# KiCad board beaglebone-ai-rev-a2.kicad_pcb (continued)
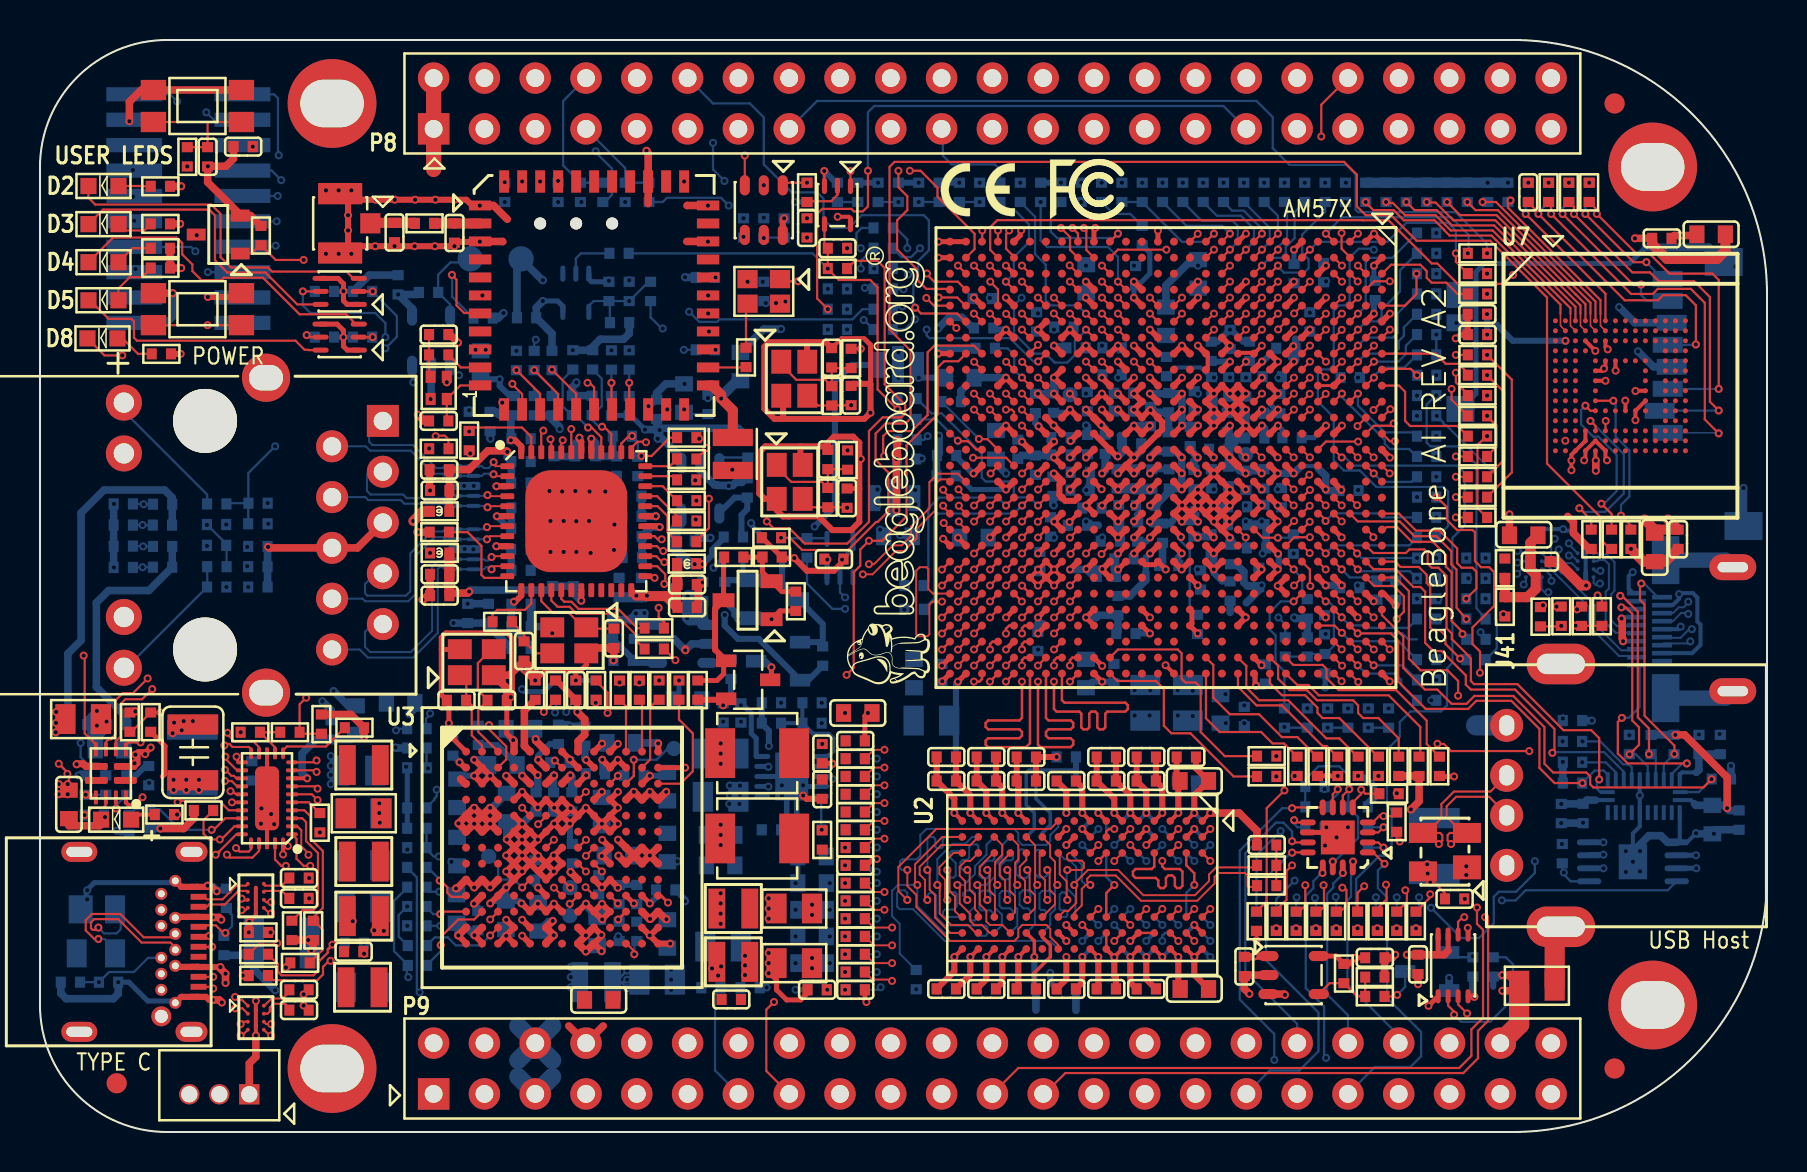
[diagram p0: board, top side]
## Copper pours and planes (outline as drawn; the poured copper is in the pictures) (continued)
VDD_3V3 on PWR_L7: 71.31,44.28 40.81,44.28 31.67,35.15 31.67,29.46 31.22,29.01 28.24,29.01 28.07,29.18 28.07,32.66 26.09,34.65 20.52,34.65 19.81,33.93 16.26,33.93 13.97,36.22 13.97,40 13.11,40.87 6.83,40.87 6.12,41.58 6.12,48.84 7.09,49.81 11.15,49.81 12.5,48.46 71.15,48.46 71.68,47.93 71.68,44.65
VDD_3V3 on PWR_L7: 83.31,41.81 83.31,29.95 81.86,28.5 71.15,28.5 69.77,29.87 65.23,29.87 64.82,30.28 64.82,35.26 58.85,41.22 54.38,41.22 54.18,41.43 54.18,41.86 54.56,42.24 82.88,42.24
VDD_3V3 on SIG_L8: 13.69,22 15.1,23.41 22.14,23.41 22.15,23.42 24.33,23.42 24.61,23.14 24.61,21.97 24.43,21.79 23.86,21.79 21.83,19.76 20.04,19.76 18.86,18.58 18.07,18.58 17.82,18.83 17.82,19.57 18.73,20.49 18.73,20.87 18.5,21.09 17.41,21.09 16.8,20.49 16.8,15.84 16.38,15.42 13.56,15.42 13.36,15.62 13.36,16.18 11.94,17.6 10.72,17.6 9.25,19.08 9.25,19.96 9.32,20.04 12.88,20.04 13.69,20.85
VDD_3V3 on SIG_L8: 53.91,41.13 54.76,41.13 54.94,41.31 54.94,42.87 54.55,43.26 51.67,43.26 51.63,43.22 51.63,41.46 52.01,41.08 53.86,41.08
VDD_3V3 on SIG_L8: 64.01,16.97 64.01,18.87 64.59,19.46 66.4,19.46 69.29,22.35 69.29,23.06 69.16,23.19 68.4,23.19 67.11,24.49 66.52,24.49 65.53,25.48 65.53,26.49 65.79,26.75 69.16,26.75 70.92,24.99 70.92,20.65 66.93,16.66 64.31,16.66
VDD_3V3 on SIG_L8: 32.26,34.43 41.34,34.43 42.23,33.54 42.23,29.6 40.53,27.9 40.53,8.45 39.03,6.95 32.98,6.95 31.9,8.03 31.9,19.51 34.54,22.15 36.75,22.15 37.43,22.82 37.43,25.64 35.9,27.17 32.11,27.17 32.11,27.18 31.88,27.41 31.88,34.05
VDD_3V3 on SIG_L8: 26.26,13.44 29.26,13.44 29.84,12.85 29.84,6.96 29.64,6.76 26.21,6.76 25.81,7.16 25.81,12.98
VDD_3V3 on SIG_L10: 19.33,19.81 17.2,17.68 11.68,17.68 11.38,17.98 10.54,17.98 10.01,18.52 9.07,18.52 8.81,18.77 8.81,19.76 9.07,20.02 12.9,20.02 13.97,21.08 13.97,22.2 14.27,22.5 19.2,22.5 19.75,21.96 19.75,20.99 19.33,20.57
VDD_3V3 on SIG_L10: 62.33,36.35 62.33,34.66 64.15,32.85 64.56,32.44 64.56,28.57 64.01,28.02 63.2,28.02 62.08,29.14 61.03,29.14 61.03,29.11 60.9,28.98 58.65,28.98 58.64,28.99 54.75,28.99 54.75,32.81 52.76,34.81 52.76,36.59 52.26,37.08 50.66,37.08 49.67,38.07 48.18,39.57 47.49,39.57 47.27,39.79 47.27,40.28 47.51,40.52 51.27,40.52 51.58,40.21 51.58,42.51 52.42,43.35 58.58,43.35 58.58,43.34 60.34,43.34 61.98,44.98 66.09,44.98 67.72,43.36 67.72,38.15 67.08,37.52 63.5,37.52
VDD_3V3 on SIG_L10: 35.46,29.34 37.49,29.34 37.87,28.96 37.87,24.1 35.61,21.84 35.61,20.32 35.05,19.76 32.94,19.76 32.13,20.57 32.13,27.03 32.23,27.13 32.59,27.13 32.84,26.87 33.66,26.87 35.41,28.63 35.41,29.29
VDD_5V on TOP: 28,5.7 28.6,5.11 28.6,3.73 28.37,3.51 26.42,3.51 25.93,3.99 25.93,5.38 26.92,6.38 26.92,10.41 28,10.41
VDD_5V on TOP: 2.59,17.75 5.69,17.75 5.99,18.06 8.64,18.06 8.89,17.81 8.89,17.04 8.64,16.79 5.18,16.79 4.57,17.4 2.57,17.4 2.46,17.5 2.46,17.63
VDD_5V on BOTTOM: 28.32,8.83 28.32,10.1 27.05,10.1 27.05,9.02 27.24,8.83
VDD_5V on BOTTOM: 22.55,12.53 20.51,12.53 20.21,12.23 20.21,11.46 20.36,11.31 21.16,11.31 21.69,11.84 22.49,11.84 22.7,12.05 22.7,12.38
VDD_5V on BOTTOM: 30.76,9.96 31.74,9.96 31.8,10.02 31.8,11.02 31.77,11.05 30.37,11.05 30.29,10.97 30.29,10.43
VDD_5V on BOTTOM: 10.19,12 11.81,12 11.81,11.99 12.75,11.05 12.75,8.41 13.06,8.1 13.84,8.1 14.12,8.38 14.12,14.05 13.51,14.66 13.51,16.43 12.12,17.83 6.32,17.83 6.17,17.68 5.33,17.68 5.18,17.53 5.18,17.22 7.14,15.27 8.53,15.27 9.3,14.5 9.98,14.5 10.08,14.4 10.08,13.93 9.98,13.83 9.98,12.2
VDD_5V on BOTTOM: 27.82,20.88 27.82,20.41 27.69,20.28 27.69,19.12 27.9,18.92 28.72,18.92 29.16,19.35 29.16,20.65 29.46,20.96 29.46,22.67 29.27,22.86 28.64,22.86 28.38,22.61 28.38,21.45
VDD_5V on BOTTOM: 28.71,14.74 28.71,13.21 28.77,13.15 29.59,13.15 29.65,13.09 31.61,13.09 31.83,13.3 31.83,17.19 31.69,17.33 29.57,17.33 29.41,17.17 29.41,15.44
VDD_5V on BOTTOM: 22.66,16.56 20.26,16.56 20.19,16.49 20.19,14.34 20.34,14.19 21.18,14.19 21.3,14.31 21.3,15.05 21.39,15.14 22.53,15.14 22.67,15.29 22.67,15.95 23.23,16.5 23.83,16.5 24.33,17 24.33,17.6 24.53,17.8 24.53,18.97 25.28,19.72 25.28,20.51 25.15,20.64 24.43,20.64 24.34,20.55 24.34,19.58 23.77,19.01 23.47,19.01 23.35,18.89 23.35,18.14 22.85,17.63 22.85,16.75
VDD_5V on BOTTOM: 22.86,9.59 22.86,10.86 23.75,10.86 23.75,9.59
VDD_5V on PWR_L7: 13.47,19.67 13.47,16.75 14.73,15.49 30.61,15.49 32.17,13.93 32.17,6.87 32.64,6.4 35.09,6.4 35.92,5.58 58.88,5.58 59.25,5.94 59.26,5.94 59.74,6.43 59.74,8.74 60.2,9.19 60.86,9.19 62.26,10.59 62.26,15.24 62.95,15.94 71.29,15.94 72.11,16.76 72.11,18.69 72.85,19.43 75.44,19.43 75.62,19.25 75.62,16.33 76.02,15.93 83.01,15.93 83.31,15.62 83.31,13.18 82.52,12.4 74.02,12.4 73.08,11.46 73.08,9.14 74.65,7.57 74.65,4.11 73.91,3.38 29.46,3.38 27.58,1.5 26.85,1.5 25.83,2.51 25.83,6.15 24.87,7.11 19.68,7.11 18.01,8.79 13.03,8.79 11.86,9.96 11.86,13.97 10.9,14.94 9.09,14.94 8.81,15.21 8.81,15.54 8.12,16.24 6.24,16.24 5.23,17.25 5.23,18.44 7.9,21.11 12.04,21.11
VDD_5V on SIG_L10: 20.89,20.54 31.05,20.54 31.71,19.88 31.71,8.45 30.06,6.79 20.46,6.79 20.05,7.2 20.05,19.7
VDD_CAPE_5V on TOP: 4.06,18.11 4.8,18.11 5,17.91 5.46,17.91 5.94,18.39 5.94,19.23 5.74,19.43 5.46,19.43 5.18,19.15 4.75,19.15 4.57,18.97 4.57,18.52 4.5,18.44 4.04,18.44 3.99,18.39 3.99,18.19
VDD_CAPE_5V on BOTTOM: 23.06,6.76 23.06,8.84 23.24,9.02 25.91,9.02 26.1,8.83 26.1,0.88 25.83,0.61 21.16,0.61 20.85,0.91 20.85,6.15 21.18,6.48 22.78,6.48
VDD_CAPE_5V on BOTTOM: 4.75,18.24 4.04,18.24 3.73,18.54 3.73,19.69 4.04,19.99 4.04,20.62 4.19,20.78 5.44,20.78 5.79,20.42 5.79,19.1 5.41,18.72 5.23,18.72
VDD_CAPE_5V on PWR_L7: 25.25,1.14 25.25,5.05 23.85,6.45 19.56,6.45 17.75,8.25 12.34,8.25 10.82,9.78 10.82,14.15 10.31,14.66 8.94,14.66 8.56,15.04 8.56,15.19 7.94,15.81 6.13,15.81 4.9,17.04 4.9,18.42 5.66,19.18 5.66,20.19 5.08,20.78 2.18,20.78 1.47,20.07 1.47,6.63 4.93,3.18 11.28,3.18 11.56,2.9 11.56,0.99 11.63,0.91 25.02,0.91
VDD_CORE on TOP: 53.42,32.64 55.91,32.64 56.06,32.49 56.06,32.31 55.75,32 53.57,32 53.34,32.23 53.34,32.56
VDD_CORE on TOP: 53.49,39.47 54.2,39.47 54.43,39.24 54.43,38.1 54.33,38 54,38 53.34,38.66 53.34,39.32
VDD_CORE on TOP: 15.81,19.37 15.81,15.21 15.71,15.11 14.43,15.11 14.35,15.19 14.35,19.22 14.5,19.37
VDD_CORE on TOP: 54.79,30.28 55.98,30.28 56.13,30.12 56.13,29.82 55.91,29.59 54.71,29.59 54.58,29.72 54.58,30.07
VDD_CORE on TOP: 54.28,35.51 55.47,35.51 55.63,35.36 55.63,35.08 55.27,34.72 54.23,34.72 54.1,34.85 54.1,35.33
VDD_CORE on TOP: 55.42,37.08 57.15,37.08 57.28,36.96 57.28,35.51 57.38,35.41 57.89,35.41 58.04,35.26 58.04,34.87 57.86,34.7 56.59,34.7 56.44,34.85 56.44,35.71 55.35,36.8 55.35,37.01
VDD_CORE on BOTTOM: 55.35,37.29 57.07,37.29 57.33,37.03 57.33,35.71 57.45,35.59 57.96,35.59 58.12,35.43 58.12,35.18 57.89,34.95 57.1,34.95 56.9,35.15 56.9,36.45 56.67,36.68 55.4,36.68 55.27,36.8 55.27,37.21
VDD_CORE on BOTTOM: 53.57,32.49 55.83,32.49 55.93,32.39 55.93,31.98 55.83,31.88 53.57,31.88 53.52,31.93 53.52,32.44
VDD_CORE on BOTTOM: 53.57,31.93 55.85,31.93 55.85,32.41 53.57,32.41
VDD_CORE on PWR_L7: 14.26,17.03 14.26,23.25 14.29,23.25 15.25,24.22 26.78,24.22 29.34,26.77 33.63,26.77 35.18,28.32 35.18,34.21 42.19,41.22 50.83,41.22 51.36,40.69 51.36,39.34 51.87,38.84 52.76,38.84 53.19,39.27 53.19,39.62 53.2,39.64 53.2,40.7 53.37,40.87 58.67,40.87 64.44,35.1 64.44,29.87 64.05,29.48 58.46,29.48 58.13,29.15 54.67,29.15 54.47,29.35 54.47,30.19 54.67,30.39 57.95,30.39 59.35,31.79 59.35,33.9 59.02,34.23 56.55,34.23 56.12,33.79 56.12,32.22 55.82,31.92 55.38,31.92 54.11,33.19 50.76,33.19 50.3,32.73 49.59,32.73 49.44,32.88 43.32,32.88 42.76,32.32 42.76,26.05 38.13,21.41 35.08,21.41 30.02,16.36 14.94,16.36
VDD_DDR on TOP: 49.86,28.63 51.05,28.63 51.18,28.5 51.18,27.56 50.83,27.2 49.66,27.2 49.38,27.48 49.38,27.97 49.81,28.4 49.81,28.58
VDD_DDR on TOP: 54.69,26.44 55.5,26.44 55.65,26.29 55.65,24.69 55.5,24.54 54.76,24.54 54.61,24.69 54.61,26.37
VDD_DDR on TOP: 58.19,29.49 59.23,29.49 59.33,29.39 59.33,28.17 59.18,28.02 58.39,28.02 57.99,28.42 57.99,29.29
VDD_DDR on TOP: 49.86,26.31 50.29,26.31 50.44,26.16 50.44,24.87 50.24,24.66 49.81,24.66 49.71,24.77 49.71,26.16
VDD_DDR on TOP: 37.34,12.04 37.34,7.76 36.32,7.76 36.32,9.92 36.07,10.18 35.07,10.18 35.06,10.16 34.85,10.16 34.85,11.99 34.86,11.99 35.05,12.18 37.2,12.18
VDD_DDR on TOP: 61.39,29.49 61.82,29.49 62.08,29.24 62.08,28.32 62.51,27.89 62.51,26.82 62.41,26.72 61.8,26.72 61.72,26.8 61.72,27.13 61.29,27.56 61.29,29.39
VDD_DDR on BOTTOM: 35.43,10.68 34.73,10.68 34.42,11 34.42,13.78 35.23,13.78 35.43,13.58 35.43,12.55 36.02,11.96 36.55,11.96 36.65,11.86 36.65,7.65 36.58,7.57 36.07,7.57 35.79,7.85 35.79,10.33
VDD_DDR on BOTTOM: 58.27,29.21 58.85,29.21 59,29.06 59,28.04 59.23,27.81 59.79,27.81 59.87,27.74 59.87,27.33 59.74,27.2 58.98,27.2 58.45,27.74 58.45,28.47 58.34,28.58 58.22,28.58 58.14,28.65 58.14,29.08
VDD_DDR on BOTTOM: 60.76,23.09 60.76,26.04 61.65,26.92 61.65,28.75 61.82,28.93 62.05,28.93 62.18,28.8 62.18,26.87 61.37,26.06 61.37,24.77 61.59,24.54 61.59,23.32 61.32,23.04 60.81,23.04
VDD_DDR on BOTTOM: 45.69,18.29 45.54,18.44 45.54,19.28 44.96,19.86 44.96,21.36 45.57,21.97 45.57,22.94 45.39,23.11 43.33,23.11 43.18,23.27 43.18,24 45.36,26.19 45.36,30.23 46.51,30.23 46.63,30.1 46.63,29.18 46.99,28.83 49.02,28.83 49.66,28.19 50.98,28.19 51.26,27.91 51.26,25.25 51.28,25.25 52.4,24.13 53.92,24.13 54.1,23.95 54.1,23.11 51.79,23.11 51.46,22.78 51.46,20.75 51.13,20.42 51.13,18.54 50.88,18.29
VDD_DDR on PWR_L7: 34.92,10.34 34.46,10.81 34.46,12.03 36.36,13.93 36.36,19.39 36.49,19.52 39.66,19.52 48.74,28.6 54.08,28.6 54.31,28.83 58.19,28.83 58.53,29.17 69.81,29.17 71.67,27.32 71.67,17.06 71.07,16.46 62.28,16.46 61.72,15.9 61.72,10.64 60.71,9.63 59.84,9.63 59.31,9.09 59.31,6.52 58.72,5.93 36.11,5.93 35.81,6.22 35.81,10.01 35.48,10.34
VDD_DDR on SIG_L10: 54.45,28.14 54.02,27.71 51.44,27.71 50.82,27.09 49.79,27.09 49.63,27.25 49.63,28.17 49.73,28.27 50.2,28.27 50.72,28.79 50.72,30.28 51.12,30.68 51.83,30.68 52.29,31.14 52.29,31.68 53.49,32.88 54.22,32.88 54.45,32.64
VDD_DSPEVE on TOP: 58.32,37.44 60.12,37.44 60.35,37.21 60.35,35.59 60.55,35.38 61.06,35.38 61.16,35.28 61.16,34.85 61.06,34.75 59.99,34.75 59.82,34.93 59.82,35.48 59.72,35.59 59.18,35.59 58.67,35.08 58.67,34.82 58.6,34.75 58.37,34.75 58.22,34.9 58.22,37.34
VDD_DSPEVE on TOP: 14.34,10.07 14.34,14.4 14.36,14.4 14.5,14.54 15.75,14.54 15.75,9.91 14.5,9.91
VDD_DSPEVE on BOTTOM: 15.77,9.47 15.57,9.27 14.57,9.27 14.35,9.49 14.35,16.61 14.55,16.81 15.65,16.81 15.77,16.69
VDD_DSPEVE on BOTTOM: 58.32,37.11 60.5,37.11 60.63,36.98 60.63,35.69 60.86,35.46 61.34,35.46 61.49,35.31 61.49,34.44 61.44,34.39 60.96,34.39 60.91,34.44 60.91,34.95 60.71,35.15 60.1,35.15 59.94,35.31 59.94,35.56 59.77,35.74 59,35.74 58.9,35.64 58.9,35.23 58.83,35.15 58.5,35.15 58.27,35.38 58.27,37.06
VDD_DSPEVE on PWR_L6: 55.45,34.29 55.45,39.04 54.48,40 30.12,40 21.84,31.72 21.84,15.62 16.28,10.06 8.61,10.06 8.08,10.59 8.08,19.84 8.25,20.02 12.9,20.02 13.64,20.75 13.64,38.3 23.22,47.88 63.37,47.88 67.34,43.92 67.34,34.39 66.8,33.86 55.88,33.86
VDD_EMMC on TOP: 74.29,29.44 74.29,30.63 75.58,31.92 76.55,31.92 76.68,31.79 76.68,30.68 75.31,29.31 74.42,29.31
VDD_EMMC on BOTTOM: 60.93,39.29 60.93,41.22 61.19,41.48 63.73,41.48 63.91,41.3 63.91,40.92 63.7,40.72 63.14,40.72 62.92,40.49 62.61,40.49 62.36,40.23 62.36,39.85 62.18,39.67 61.59,39.67 61.44,39.52 61.44,39.29 61.29,39.14 61.09,39.14
VDD_EMMC on SIG_L5: 63.14,40.87 63.14,42.82 64.54,44.22 67.26,44.22 68.38,45.34 70.1,45.34 71.2,46.43 71.2,47.55 71.6,47.96 73.3,47.96 73.61,47.65 73.61,47.09 73.28,46.76 73.28,43.64 72.59,42.95 69.47,42.95 69.01,42.49 66.83,42.49 66.29,43.03 65.53,43.03 65,42.49 65,41.76 64.67,41.43 64.03,41.43 63.73,41.12 63.73,40.84 63.65,40.77 63.25,40.77
VDD_EMMC on PWR_L6: 74.32,31.17 74.32,43.71 72.16,45.87 72.16,47.62 72.54,48.01 75.41,48.01 79.22,44.2 79.22,31.29 78.74,30.81 74.68,30.81
VDD_GPU on TOP: 15.73,6.24 14.44,6.24 14.34,6.34 14.34,9.07 14.6,9.33 15.52,9.33 15.73,9.12
VDD_GPU on TOP: 52.17,37.9 53.29,37.9 54.31,36.88 54.31,35.81 54.2,35.71 53.97,35.71 52.1,37.59 52.1,37.82
VDD_GPU on BOTTOM: 15.81,8.05 15.81,6.39 15.7,6.27 14.44,6.27 14.34,6.38 14.34,8.1 14.43,8.19 15.67,8.19
VDD_GPU on BOTTOM: 54.08,37.03 53.49,37.62 53.49,38.05 53.39,38.15 52.1,38.15 51.95,38.01 51.95,37.57 52.05,37.47 52.71,37.47 52.82,37.35 52.82,35.86 52.99,35.69 53.34,35.69 53.72,35.31 53.72,33.71 53.82,33.6 54.08,33.6 54.43,33.96 54.43,35.26 54.08,35.61
VDD_GPU on SIG_L5: 55.53,34.69 55.53,37.3 54.87,37.96 51.96,37.96 52.01,37.91 52.01,37.17 53.54,35.64 53.54,33.93 53.82,33.66 54.5,33.66
VDD_GPU on PWR_L6: 12.34,9.35 12.73,9.73 16.76,9.73 22.5,15.47 22.5,31.37 30.53,39.4 54.15,39.4 54.99,38.56 54.99,31.67 54.74,31.42 33.81,31.42 32.51,30.12 32.51,9.45 32.28,9.22 25.45,9.22 25.22,8.99 25.22,8.97 22.56,6.3 20.73,6.3 18.26,3.84 13.89,3.84 12.34,5.38
VDD_IVA on TOP: 53.37,31.09 54.28,31.09 54.43,30.94 54.43,29.9 54.18,29.64 53.64,29.64 53.29,30 53.29,31.01
VDD_IVA on TOP: 35.92,9.6 35.92,6.3 35.69,6.07 35.05,6.07 34.82,6.3 34.82,7.42 34.92,7.52 34.92,9.53 35.03,9.63 35.89,9.63
VDD_IVA on BOTTOM: 35.43,10.02 35.43,7.04 35.33,6.93 34.71,6.93 34.54,7.1 34.54,8.41 34.42,8.53 34.42,9.87 34.57,10.02
VDD_IVA on PWR_L7: 54.14,30.59 54.06,30.67 52.79,30.67 52.41,30.29 43.75,30.29 43.36,29.9 43.36,26.24 38.16,21.04 35.39,21.04 33.44,19.09 33.44,16.37 32.47,15.41 32.47,7.25 32.77,6.96 35.38,6.96 35.51,7.09 35.51,9.86 35.34,10.02 34.76,10.02 34.12,10.66 34.12,12.28 35.9,14.06 35.9,19.49 36.39,19.98 39.51,19.98 48.39,28.85 53.87,28.85 54.14,29.12
VDD_MPU on TOP: 58.19,33.48 59.36,33.48 59.61,33.22 59.61,32.28 60.02,31.88 60.02,30.73 59.59,30.3 59.59,29.85 59.41,29.67 59.26,29.67 58.5,30.43 55.4,30.43 55.32,30.51 55.32,30.63 56.62,31.93 57.4,31.93 58.17,32.69 58.17,33.45
VDD_MPU on TOP: 38.46,20.19 38.46,13.44 36.58,13.44 36.12,13.89 36.12,15.72 35.66,16.18 34.7,16.18 34.59,16.28 34.59,17.32 34.77,17.5 35.31,17.5 35.59,17.78 35.59,19.86 35.64,19.86 35.97,20.19
VDD_MPU on BOTTOM: 56.79,31.67 57.33,31.67 57.4,31.75 57.4,32.39 57.45,32.44 58.04,32.44 58.09,32.39 58.09,31.8 58.17,31.72 58.95,31.72 59.05,31.83 59.05,32.49 59.21,32.64 59.72,32.64 59.77,32.59 59.77,29.82 59.66,29.72 59.16,29.72 59.08,29.79 59.08,30.23 58.93,30.38 58.09,30.38 58.01,30.3 56.49,30.3 56.41,30.38 56.41,31.29
VDD_MPU on BOTTOM: 34.42,14.45 34.42,19.67 35.43,19.67 35.43,14.5 35.22,14.29 35.22,14.27 34.59,14.27
VDD_MPU on BOTTOM: 54.69,21.08 59.23,21.08 59.72,20.6 60.3,20.6 60.33,20.62 60.45,20.62 60.6,20.47 60.6,20.27 60.43,20.09 54.56,20.09 54.38,20.27 54.38,20.78
VDD_MPU on PWR_L6: 58.01,28.96 57.42,29.55 56.81,29.55 56.64,29.72 56.64,30.3 55.83,31.12 55.83,33.2 56.03,33.4 67.28,33.4 67.69,32.99 67.69,17.83 56.44,6.58 37.47,6.58 34.87,9.17 33.25,9.17 33.02,9.4 33.02,22.1 33.32,22.4 37.57,22.4 38.46,23.29 56.46,23.29 58.01,24.84
(no net) on TOP: 57.51,30.33 58.42,30.33 58.88,29.87 58.88,29.69 58.78,29.59 57.58,29.59 57.35,29.82 57.35,30.18
(no net) on TOP: 59.79,33.48 61.09,33.48 61.24,33.32 61.24,32.84 61.14,32.74 59.94,32.74 59.74,32.94 59.74,33.43
(no net) on SIG_L5: 40.59,41.43 41.55,41.43 42.93,40.06 42.93,39.95 42.88,39.9 41.83,39.9 41.58,40.16 41.15,40.16 40.61,40.69 40.46,40.69 40.39,40.77 40.39,41.22
/HDMI/U5_VCCA_3V3 on PWR_L7: 76,16.23 75.87,16.36 75.87,20.65 76.07,20.85 83.95,20.85 84.76,20.04 84.76,16.56 84.43,16.23
DDR_VREFSTL on BOTTOM: 35.69,12.85 36.04,12.5 36.53,12.5 36.91,12.12 36.91,6.43 37.59,5.74 59,5.74 59.69,6.43 59.69,17.81 61.21,19.33 61.21,19.66 61.09,19.79 52.12,19.79 51.51,19.18 51.51,18.16 51.64,18.03 58.93,18.03 59.18,17.78 59.18,6.71 58.7,6.22 38.02,6.22 37.27,6.97 37.27,13.89 36.47,14.69 36.47,16.74 36.32,16.89 35.94,16.89 35.69,16.64
DDR_VREFSTL on INT_L3: 51.33,30.84 56.21,30.84 56.58,30.47 56.58,28 57.02,27.56 61.52,27.56 61.52,27.53 62.08,26.97 62.08,24.69 62.67,24.09 62.67,19.05 62.17,18.54 59.31,18.54 59.31,23.05 55.05,27.31 53.4,27.31 51.23,29.48 51.23,30.73
Earth on TOP: 50.5,29.9 50.83,29.9 51.26,29.46 51.26,29.16 50.85,28.75 49.83,28.75 49.73,28.85 49.73,29.39 49.83,29.49 50.09,29.49
Earth on TOP: 52.32,32.82 52.22,32.92 52.22,33.4 52.3,33.48 54.03,33.48 54.18,33.63 54.18,34.34 54.41,34.57 55.22,34.57 55.78,35.13 55.78,35.48 55.63,35.64 54.81,35.64 54.56,35.89 54.56,37.21 54.86,37.52 55.17,37.52 55.19,37.49 55.19,36.73 56.26,35.66 56.26,35.03 55.19,33.96 55.19,33.6 55.4,33.4 55.93,33.4 56.08,33.25 56.08,32.99 55.91,32.82
Earth on TOP: 49.96,34.62 51.08,34.62 51.23,34.47 51.23,33.38 51.16,33.3 50.9,33.3 50.55,33.66 50.09,33.66 49.89,33.86 49.89,34.54
Earth on TOP: 62.59,40.28 63.53,40.28 63.68,40.13 63.68,39.95 62.84,39.12 62.84,38.25 62.64,38.05 62.23,38.05 62.13,38.15 62.13,39.83
Earth on TOP: 78.31,33.73 82.68,33.73 82.96,33.45 82.96,32.59 82.22,31.85 77.32,31.85 77.04,32.13 77.04,32.51 77.27,32.74 78.13,32.74 78.23,32.84 78.23,33.66
Earth on TOP: 1.04,16.36 3.4,16.36 3.53,16.23 3.53,15.37 3.35,15.19 1.12,15.19 0.99,15.32 0.99,16.31
Earth on TOP: 53.87,29.44 54.41,29.44 54.48,29.36 54.48,28.7 54.56,28.63 56.08,28.63 56.39,28.32 56.39,28.09 56.29,27.99 53.9,27.99 53.72,28.17 53.72,29.29
Earth on TOP: 30.48,6.96 31.29,7.77 31.8,7.77 32.61,6.96 34.21,6.96 34.29,6.88 34.29,6.17 34.09,5.97 28.42,5.97 28.32,6.07 28.32,6.91 28.37,6.96
Earth on TOP: 57.33,26.67 59.89,26.67 60.48,26.09 60.48,24.64 59.87,24.03 57.33,24.03 57.02,24.33 57.02,26.37
Earth on TOP: 24.13,46.58 32.36,46.58 32.49,46.46 32.49,37.39 32.26,37.16 23.22,37.16 22.94,37.44 22.94,45.39
Earth on TOP: 44.6,44.98 46.3,44.98 46.51,44.78 46.51,44.27 45.82,43.59 44.63,43.59 44.48,43.74 44.48,44.86
Earth on TOP: 17.59,16.61 17.59,15.17 16.58,15.17 16.54,15.21 16.54,16.69 16.61,16.76 17.44,16.76
Earth on TOP: 48.36,44.63 48.36,45.44 48.18,45.62 47.02,45.62 46.48,46.15 46.48,47.73 46.86,48.11 63.63,48.11 63.86,47.88 63.86,46.36 63.4,45.9 50.06,45.9 49.15,44.98 49.15,44.55 49,44.4 48.59,44.4
Earth on TOP: 52.3,26.44 53.01,26.44 53.14,26.31 53.14,24.82 52.98,24.66 52.43,24.66 52.17,24.92 52.17,26.31
Earth on TOP: 47.27,30.25 48.79,30.25 48.9,30.15 48.9,29.87 48.62,29.59 47.29,29.59 47.22,29.67 47.22,30.2
Earth on TOP: 52.37,23.04 52.37,22 52.63,21.74 55.73,21.74 55.83,21.84 55.83,22.17 55.7,22.3 53.64,22.3 52.86,23.09 52.43,23.09
Earth on TOP: 56.18,23.42 56.77,23.42 56.85,23.34 56.85,22.43 57.05,22.23 57.71,22.23 57.84,22.1 57.84,21.72 57.73,21.62 56.69,21.62 56.44,21.87 56.44,22.28 56.16,22.56 56.16,23.39
Earth on TOP: 66.4,45.26 67.41,45.26 67.74,44.93 67.74,43.87 67.08,43.21 66.6,43.21 66.5,43.31 66.5,43.43 66.62,43.56 66.62,43.92 66.5,44.04 66.19,44.04 66.12,44.12 66.12,44.98
Earth on TOP: 63.7,30.3 65.18,30.3 65.35,30.12 65.35,29.69 65.23,29.57 63.68,29.57 63.58,29.67 63.58,30.18
Earth on TOP: 39.04,7.72 39.01,7.7 37.87,7.7 37.69,7.87 37.69,12.57 37.85,12.73 38.61,12.73 39.04,12.29
Earth on TOP: 59.82,42.82 60.38,42.82 60.48,42.72 60.48,41.38 60.27,41.17 59.87,41.17 59.72,41.33 59.72,42.72
Earth on TOP: 53.09,31.88 55.17,31.88 55.27,31.78 55.27,30.61 55.07,30.4 54.61,30.4 54.51,30.51 54.51,31.01 54.31,31.22 53.06,31.22 52.96,31.32 52.96,31.75
Earth on TOP: 44.37,29.87 45.26,29.87 45.54,29.59 45.54,29.08 45.44,28.98 45.26,28.98 44.88,28.6 43.97,28.6 43.54,28.17 43.54,24.69 43.87,24.36 44.22,24.36 44.7,23.88 44.7,23.14 44.91,22.94 45.42,22.94 45.54,22.81 45.54,22.07 45.67,21.95 48.49,21.95 48.67,21.77 48.67,21.31 48.49,21.13 47.19,21.13 46.81,20.75 46.81,19.84 46.51,19.53 46.51,19.51 44.45,19.51 44.15,19.2 44.15,17.22 44.48,16.89 45.77,16.89 45.97,16.69 45.97,15.72 45.62,15.37 42.93,15.37 42.54,15.75 42.54,21.41 42.32,21.64 39.95,21.64 39.52,21.21 39.52,20.27 39.42,20.17 38.96,20.17 38.63,20.5 35.81,20.5 35.69,20.62 35.69,21.59 36.04,21.95 37.34,21.95 37.85,22.45 40.74,22.45 41.1,22.81 41.1,26.92 42.93,28.75 43.26,28.75
Earth on TOP: 50.65,39.45 51.38,39.45 51.51,39.32 51.51,37.47 51.18,37.13 51.18,36.47 50.9,36.2 50.01,36.2 49.76,36.45 49.76,36.98 49.86,37.08 50.42,37.08 50.55,37.21 50.55,39.34
Earth on TOP: 63.53,35.46 65.28,35.46 65.46,35.28 65.46,34.85 65.33,34.72 63.53,34.72 63.47,34.77 63.47,35.41
Earth on TOP: 73.56,38.76 74.65,38.76 74.93,38.48 74.93,32 73.96,31.04 73.96,29.49 73.86,29.39 73.36,29.39 73.08,29.67 73.08,31.83 73.84,32.59 73.84,37.74 73.46,38.13 73.46,38.66
Earth on TOP: 13,48.51 21.74,48.51 22.4,47.85 22.4,46.58 22.07,46.25 21.62,46.25 21.44,46.43 15.8,46.43 15.62,46.25 15.62,44.6 15.75,44.48 20.29,44.48 20.55,44.73 21.34,44.73 21.41,44.65 21.41,44.42 20.4,43.41 13.13,43.41 12.67,43.87 12.67,48.18
Earth on TOP: 57.38,34.44 57.73,34.44 58.06,34.11 58.06,32.97 57.94,32.84 57.73,32.84 57.35,33.22 57.35,34.42
Earth on TOP: 72.11,13.77 72.11,12.45 71.6,11.94 71.6,11.46 71.5,11.35 70.94,11.35 70.82,11.48 70.82,12.45 70.51,12.75 70.51,13.77 70.59,13.84 72.03,13.84
Earth on TOP: 78.94,12.75 78.79,12.9 78.79,16.41 79.4,17.02 83.44,17.02 83.9,16.56 83.9,13 83.64,12.75
Earth on BOTTOM: 57.43,30.07 58.12,30.07 58.24,30.2 58.8,30.2 58.9,30.1 58.9,29.59 58.72,29.41 57.51,29.41 57.4,29.51 57.4,30.05
Earth on BOTTOM: 47.02,30.23 49.76,30.23 49.96,30.02 50.75,30.02 50.93,29.85 50.93,28.68 50.72,28.47 49.66,28.47 48.97,29.16 47.17,29.16 46.99,29.34 46.99,30.2
Earth on BOTTOM: 62.61,40.39 63.68,40.39 63.98,40.08 63.98,38.63 63.6,38.25 62.64,38.25 62.46,38.43 62.46,40.23
Earth on BOTTOM: 4.19,18.03 4.8,18.03 5.23,18.47 5.49,18.47 6.15,19.13 6.15,20.65 6.35,20.85 10.36,20.85 11.02,20.19 12.8,20.19 13.94,21.34 14.43,21.34 14.83,20.93 14.83,20.5 14.73,20.4 13.89,20.4 11.81,18.31 10.13,18.31 8.99,19.46 7.24,19.46 5.84,18.06 5.23,18.06 4.78,17.6 4.22,17.6 4.14,17.68 4.14,17.98
Earth on BOTTOM: 30.33,43.43 35.18,43.43 36.5,42.11 36.5,41.02 37.92,39.6 37.92,31.42 36.58,30.07 35.53,30.07 35.05,30.56 32.69,30.56 32.46,30.78 32.46,32.84 30.05,35.26 30.05,43.15
Earth on BOTTOM: 59.13,35.48 59.61,35.48 59.69,35.41 59.69,35.1 59.79,35 60.48,35 60.55,34.93 60.55,34.52 60.48,34.44 59.92,34.44 59.74,34.26 59.74,33.63 59.99,33.38 59.99,33.05 59.94,32.99 59.18,32.99 59.05,33.12 59.05,35.41
Earth on BOTTOM: 30.92,9.58 32.3,9.58 32.64,9.92 32.64,18.72 32.08,19.28 29.67,19.28 29.49,19.46 29.49,20.45 29.77,20.73 29.77,22.83 29.39,23.22 29.39,23.95 29.64,24.21 31.72,24.21 32.13,23.8 32.13,21.34 32.64,20.83 33.34,20.83 33.66,20.51 33.66,5.97 33.35,5.66 31.17,5.66 30.92,5.91
Earth on BOTTOM: 36.78,16.61 38.35,16.61 38.4,16.56 38.4,15.98 38.28,15.85 38.28,12.01 38.71,11.58 38.71,6.99 38.56,6.83 37.74,6.83 37.52,7.06 37.52,13.92 36.75,14.68 36.75,16.59
Earth on BOTTOM: 36.8,47.4 36.8,45.75 36.5,45.44 34.77,45.44 34.57,45.24 34.57,44.78 34.06,44.27 31.57,44.27 31.34,44.5 31.34,46.33 31.5,46.48 33.73,46.48 34.21,46 34.65,46 34.89,46.24 34.89,47.36 35.23,47.7 36.5,47.7
Earth on BOTTOM: 58.39,38.05 60.55,38.05 60.6,38 60.6,37.52 60.55,37.47 58.32,37.47 58.27,37.52 58.27,37.54 57.35,37.54 57.25,37.44 56.01,37.44 55.88,37.57 55.88,37.9 56.06,38.07 56.46,38.07 56.74,38.35 58.09,38.35
Earth on BOTTOM: 30.23,27.48 30.3,27.56 30.3,28.19 30.23,28.27 29.49,28.27 29.36,28.4 29.36,32.08 29.54,32.26 29.84,32.26 30.12,32.54 30.12,32.97 30,33.1 25.45,33.1 25.22,33.32 25.22,34.49 24.82,34.9 24.43,34.9 24.33,34.8 24.33,28.27 24.54,28.07 27.33,28.07 27.91,27.48
Earth on BOTTOM: 53.9,38.18 54.76,38.18 54.99,37.95 54.99,36.63 55.12,36.5 55.88,36.5 56.13,36.25 56.67,36.25 56.72,36.2 56.72,35.1 57.07,34.75 57.94,34.75 58.09,34.59 58.09,32.87 57.99,32.77 57.53,32.77 57.35,32.94 57.35,34.01 56.79,34.57 56.11,34.57 55.98,34.7 55.98,35.59 55.78,35.79 55.02,35.79 54.91,35.69 54.51,35.69 54.36,35.84 54.36,37.11 53.82,37.64 53.8,37.64 53.8,38.07
Earth on BOTTOM: 60.99,36.45 62.13,36.45 62.33,36.25 62.33,35.79 62.26,35.71 60.91,35.71 60.86,35.76 60.86,36.32
Earth on BOTTOM: 17.7,20.4 17.86,20.24 17.86,7.57 18.39,7.04 18.39,6.25 18.26,6.12 16.66,6.12 16.08,6.71 16.08,19.46 16.48,19.86 16.48,21.56 16.81,21.89 17.55,21.89 17.7,21.74
Earth on BOTTOM: 51.87,22.81 54.46,22.81 54.58,22.94 54.61,22.94 54.61,24 54.91,24.31 55.75,24.31 55.96,24.51 55.96,27.71 56.08,27.84 56.97,27.84 57.35,27.46 57.35,24.77 57.61,24.51 58.5,24.51 58.75,24.77 58.75,25.78 58.76,25.79 58.76,26.63 58.95,26.82 60.17,26.82 60.53,26.47 60.53,22.99 60.71,22.81 61.39,22.81 61.7,22.5 61.7,21.82 60.83,20.96 60.02,20.96 59.41,21.56 52.1,21.56 51.79,21.87 51.79,22.73
Earth on BOTTOM: 53.77,33.4 54.05,33.4 54.79,34.14 54.79,34.72 54.81,34.75 55.32,34.75 55.4,34.67 55.4,34.16 55.14,33.91 55.14,33.58 55.32,33.4 56.69,33.4 56.77,33.32 56.77,32.89 56.62,32.74 52.86,32.74 52.81,32.79 52.81,33.45 53.01,33.66 53.52,33.66
Earth on BOTTOM: 69.39,7.87 70.71,7.87 71.22,7.37 72.87,7.37 73,7.49 73,7.95 73.1,8.05 73.46,8.05 74.02,7.49 74.02,3.91 73.74,3.63 72.42,3.63 72.29,3.76 72.29,5.33 71.91,5.72 69.22,5.72 68.88,6.05 68.88,7.37
Earth on BOTTOM: 44.86,45.57 48.44,45.57 48.79,45.21 48.79,44.35 48.03,43.59 44.91,43.59 44.7,43.79 44.7,45.42
